# Allegro board RK_EVB1_RK3576_LP4XD200P132SD6_V12_20240530YWQ.brd (continued)
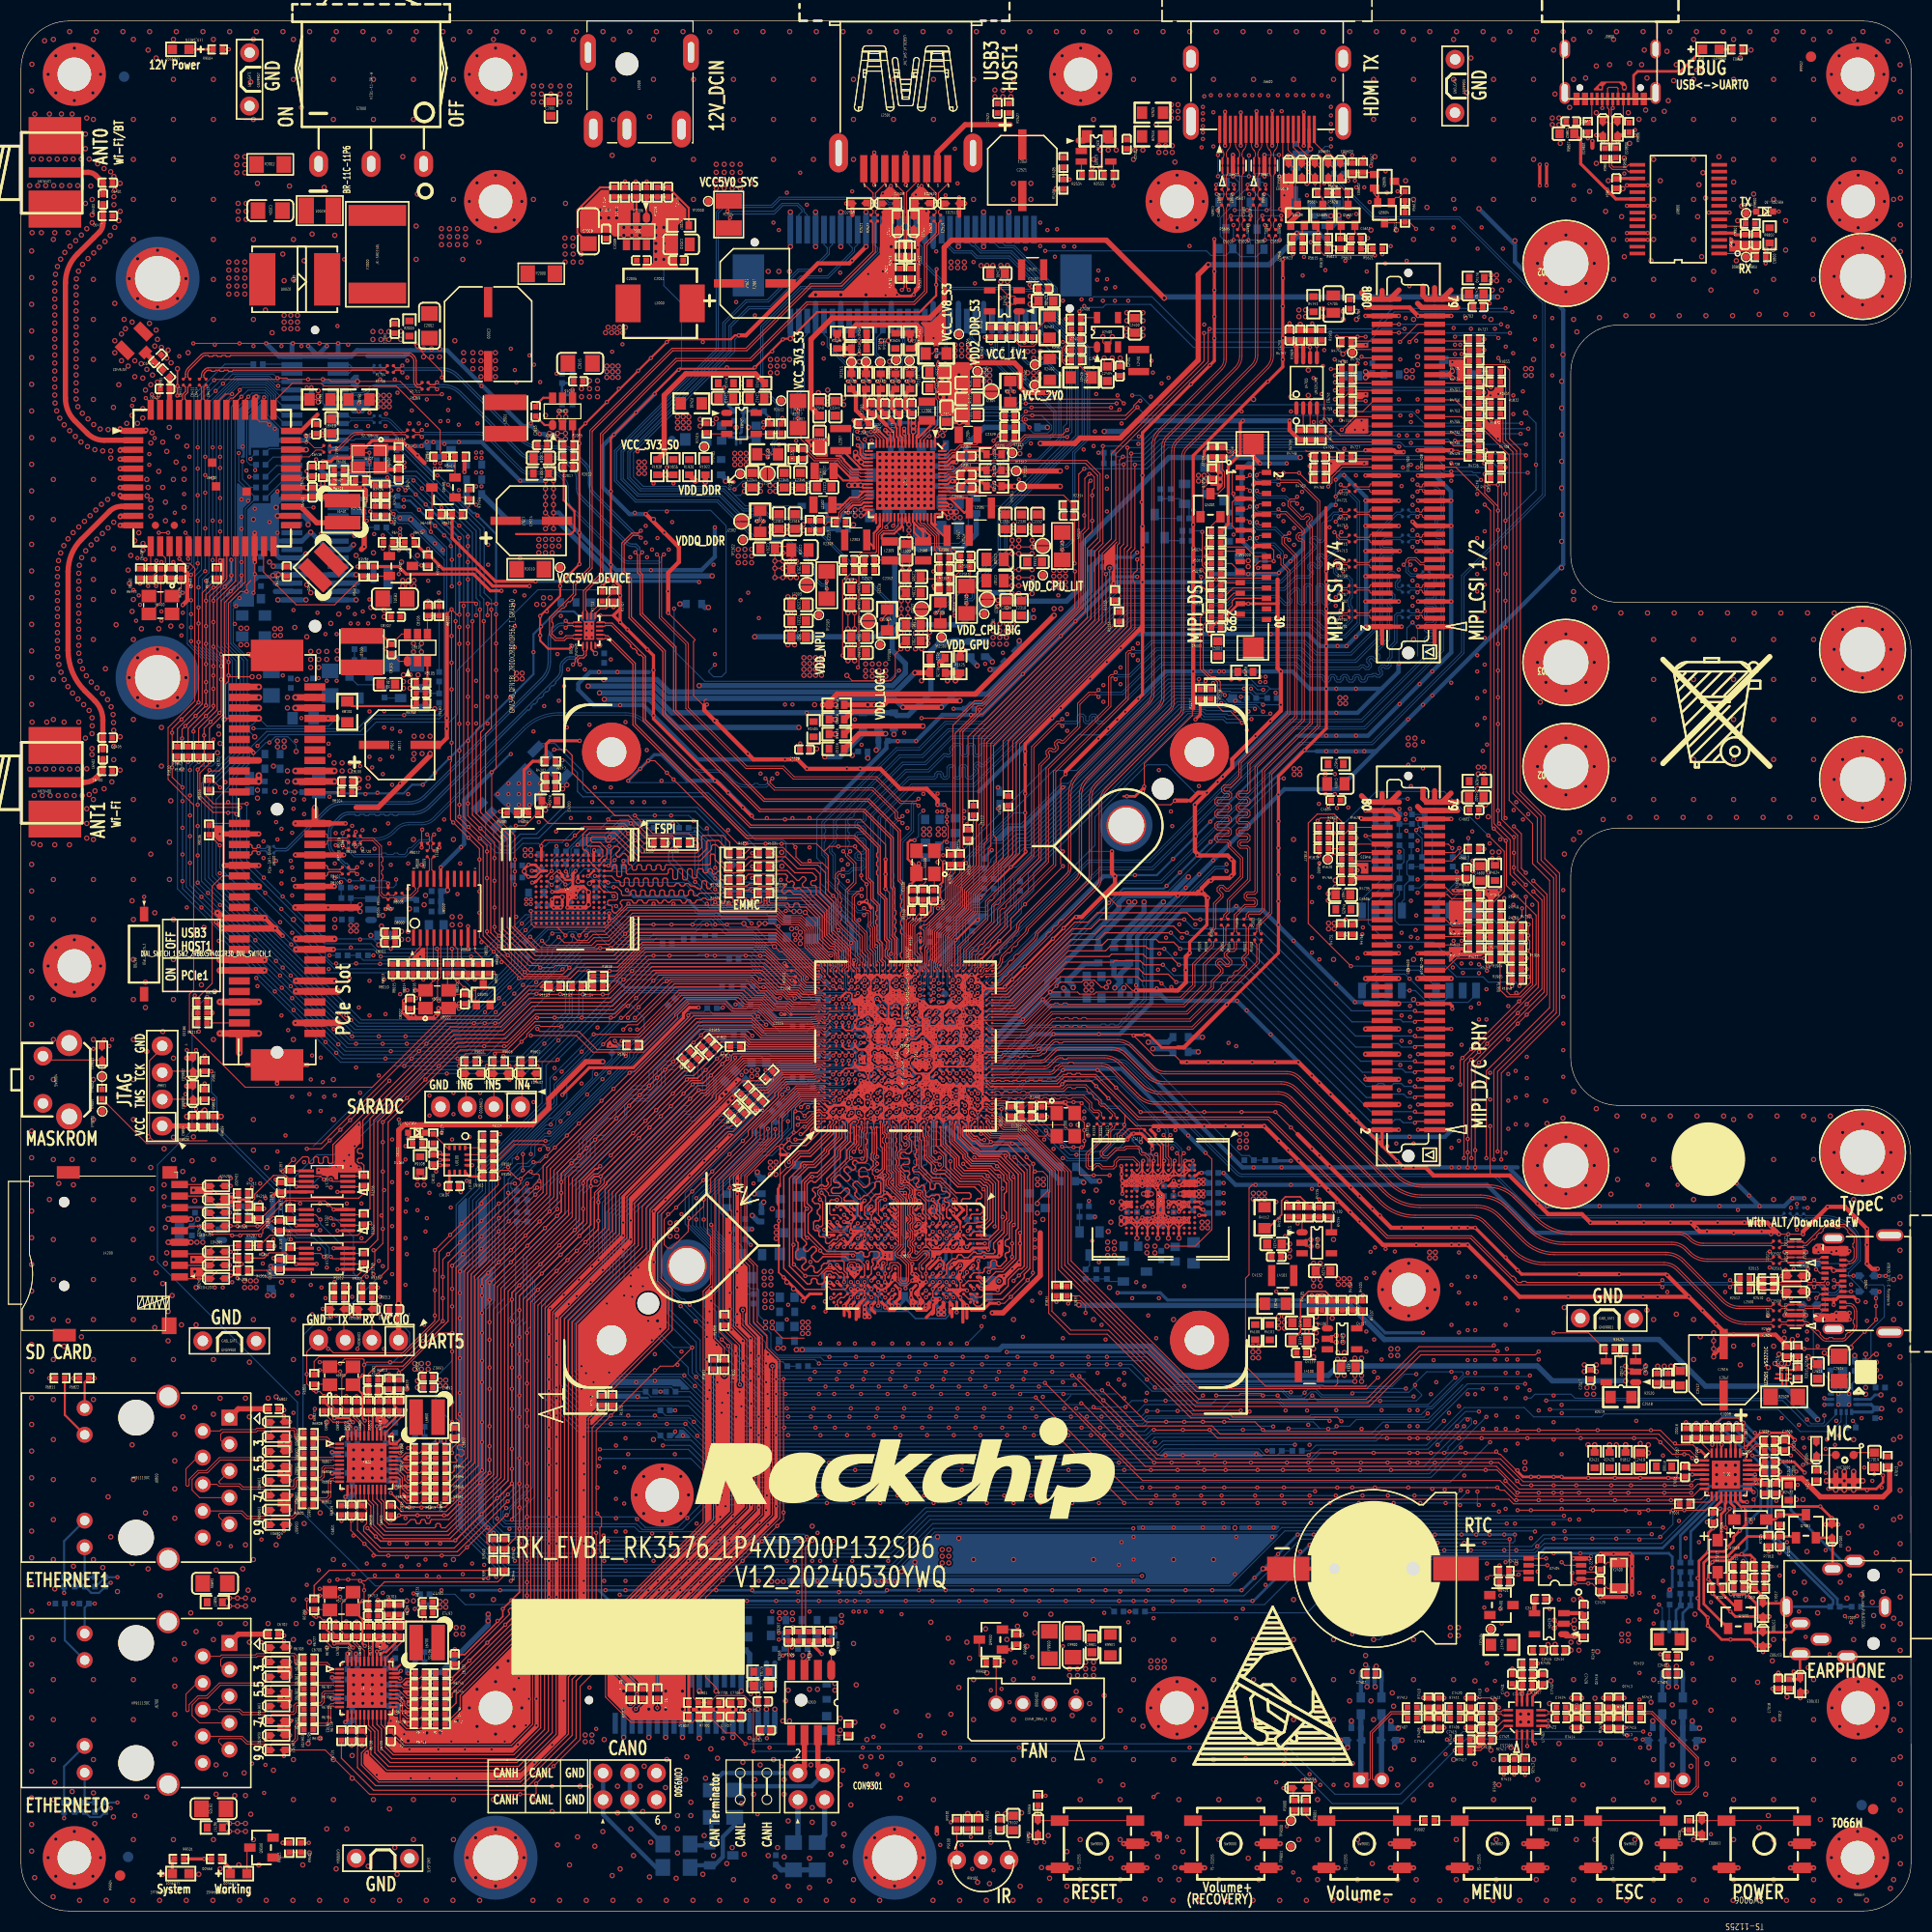
[diagram p0: board, top side]
## Routing (per net, layer and track width the routed paths; a pad name or vN(x,y) marks a point on that pad's centre or on a via; arc(x,y) is an arc through that point) (continued)
VDD_GPU_S0_P: length 55.2
  TOP w0.102: C2305.1 85.88,126.87 R2302.1 C2306.1 R2303.1 ; R2300.2 87.56,124.08 v1(87.1,123.62)
  BOTTOM w0.102: v1(87.1,123.62) 87.23,123.62 93.06,129.45 93.06,133.12 100.47,140.53 100.47,148.68 97.58,151.57 97.58,153.91 94.07,157.42 90.98,157.42 90.5,157.9 88.85,157.9 87.68,159.07 CON9700.38
VDD_LOGIC_S0: length 179.3
  TOP w0.102: R2319.2 82.61,122.09 v1(82.61,123.07) ; v1(79.71,118.44) 79.8,118.53 79.8,127.2 80.27,127.68 R2321.2 C2352.2 80.85,129.15 81.58,129.15 81.68,129.26 81.68,131.04 82.07,131.44 83.07,131.44 83.54,131.91 U2300.41
  TOP w0.178: 84.19,83.99 83.64,83.99 ; v1(83.92,83.02) v1(83.27,83.02)
  TOP w0.203: U1000.2J9 v1(85.22,83.67) ; U1000.2F8 83.59,83.92 ; 83.31,83.06 83.31,83.54 83.28,83.56 v1(83.28,83.61)
  TOP w0.229: U1000.2G8 v1(83.92,83.02) ; U1000.2G8 84.57,83.67 ; U1000.2G8 U1000.2G9 84.24,83.99 ; U1000.2G8 83.92,83.67 ; U1000.2G8 U1000.2F8 ; v1(83.92,83.02) U1000.2F7 ; v1(83.92,83.02) U1000.2F8 ; v1(84.57,83.72) 84.62,83.72 U1000.2H9 v1(85.22,83.67) ; v1(84.57,83.72) 84.62,83.67 v1(85.22,83.67) ; v1(84.57,83.72) v1(83.92,83.72) ; v1(84.57,83.72) 84.57,83.67 ; v1(84.57,83.72) 84.29,83.99 84.24,83.99 ; v1(83.27,83.02) U1000.2F8 ; v1(83.27,83.02) U1000.2F7 ; v1(83.27,83.02) U1000.2E7 ; v1(83.92,83.72) 83.92,83.67 ; v1(83.92,83.72) 83.64,83.99 U1000.2F9 ; v1(83.92,83.72) 84.19,83.99 84.24,83.99 ; U1000.2F9 83.59,83.92 ; U1000.2F9 83.28,83.68 v1(83.28,83.61) ; 84.57,83.67 U1000.2H8 v1(85.22,83.67) ; 83.92,83.67 U1000.2F8 ; U1000.2F7 U1000.2E7 ; U1000.2F7 83.59,82.66 v1(83.26,82.32) 82.94,82.64 U1000.2E7
  L3-POWER w0.089: v1(84.57,83.72) 84.11,84.17 84.11,86.29 84.38,86.56 ; 82.75,84.64 82.48,84.64 82.34,84.78 ; 82.75,84.64 82.33,85.06 82.33,86.44 82.23,86.54 81.41,86.54 81.14,86.81 ; 82.75,84.64 83.27,84.13 ; 81.14,86.81 81.14,88.94 81.31,89.1 81.7,89.1 ; 81.14,86.81 81.14,85.98 82.34,84.78 ; 81.14,86.81 81.02,86.93 81.02,88.9 80.53,89.38 80.53,89.48 ; 84.37,89.48 84.38,89.47 84.38,89.44 84.38,89.43 84.38,86.56 ; 84.38,86.56 84.53,86.56 84.8,86.83 84.75,86.88 84.79,86.92 84.79,89.39 84.88,89.48 ; 83.26,83.01 82.94,82.69 82.89,82.69 ; v1(83.26,82.32) 82.89,82.69 ; 82.89,82.69 82.48,82.69 82.29,82.88 82.29,84.45 82.34,84.5 82.34,84.78
  L3-POWER w0.102: v1(79.71,118.44) 79.8,118.53 79.8,118.94 80.3,119.45 86.4,119.45 86.62,119.23 86.62,103.83 86.95,103.5 86.95,102.13 86.62,101.8 86.62,91.22 84.88,89.48 ; 84.37,89.48 84.37,91.64
  L3-POWER w0.305: v1(84.57,83.72) 83.92,83.07 v1(83.92,83.02) v1(83.27,83.02)
  L3-POWER w0.356: v1(83.27,83.02) 83.26,83.01 v1(83.26,82.32)
  L4-SIG w0.089: v1(85.22,83.67) 85.38,83.5 85.38,82.99 85.07,82.68 83.63,82.68 83.27,82.32 v1(83.26,82.32)
  BOTTOM w0.102: CON9700.18 79.68,158.71 79.38,158.41 79.38,158.02 76.88,155.52 74.34,155.52 71.41,152.6 69.36,152.6 67.63,150.87 67.63,148.53 57.99,138.89 57.99,136.52 59.06,135.45 66.94,135.45 68.86,133.54 70.69,133.54 71.5,132.74 74.77,132.74 82.8,124.7 82.8,123.25 82.63,123.07 v1(82.61,123.07)
  BOTTOM w0.229: v1(84.57,83.72) 84.62,83.67 v1(85.22,83.67) ; C1016.1 82.94,82.65 v1(83.26,82.32) 83.26,82.32 82.98,82.04 C1024.1
  BOTTOM w0.254: v1(83.92,83.02) 83.69,83.24 C1015.1 ; 82.94,82.69 v1(83.27,83.02)
  BOTTOM w0.305: v1(83.27,83.02) 83.27,83.02 C1017.1 83.16,83.56 83.23,83.56 v1(83.28,83.61) 83.25,83.64 83.25,83.96 83.78,83.96 83.92,84.1 ; 83.92,84.1 C1020.1 84.45,83.72 v1(84.57,83.72) 83.92,83.07 v1(83.92,83.02) ; 83.92,84.1 v1(83.92,83.72) 83.59,83.39 C1015.1 ; C1023.1 85.52,83.97 v1(85.22,83.67)
  vias: v2(80.44,118.77) v2(80.44,118.13) v2(80.44,117.59) v2(81.08,118.77) v2(81.08,118.13) v2(81.08,117.59) v2(81.71,118.77) v2(81.71,118.13) v2(81.71,117.59) v2(82.35,118.77) v2(82.35,118.13) v2(82.35,117.59) v2(85.97,103.05) v2(85.97,102.51) v2(86.53,103.05) v2(86.53,102.51)
VDD_LOGIC_S0_P: length 70.4
  TOP w0.102: R2319.1 82.48,123.54 v1(81.96,123.01) ; R2321.1 C2352.1 82.71,128.66 L2309.2
  BOTTOM w0.102: v1(81.96,123.01) 82.34,123.39 82.34,124.88 74.68,132.53 71.41,132.53 70.61,133.34 68.77,133.34 66.86,135.25 58.98,135.25 57.79,136.44 57.79,138.97 67.43,148.62 67.43,150.96 69.27,152.8 71.33,152.8 74.25,155.72 76.79,155.72 79.18,158.11 79.18,158.41 78.88,158.71 CON9700.16
VDD_NPU_S0: length 161.4
  TOP w0.089: 82.29,82.69 82.29,83.34
  TOP w0.102: R2307.2 v1(76.74,125.91) ; v1(78.25,119.57) 78.25,126.75 78.59,127.09 78.72,127.09 R2309.2 C2323.2 80.01,129.36 81.37,129.36 81.47,129.46 81.47,131.12 82.05,131.7 82.05,132.5 82.14,132.59 U2300.37 ; v1(81.32,83.02) v1(81.32,83.67)
  TOP w0.178: 82.29,83.34 U1000.2D8 v1(81.97,83.67) ; 82.29,82.69 U1000.2D7 82.24,82.75 81.7,82.75 ; 81.64,82.69 U1000.2C7
  TOP w0.229: v1(81.97,84.32) 81.94,84.29 ; 81.94,84.29 81.94,83.69 ; 81.94,84.29 U1000.2C9 ; v1(81.97,83.67) v1(81.97,83.02) ; v1(81.97,83.67) U1000.2C8 ; v1(81.97,83.67) 81.94,83.69 ; v1(81.97,83.02) 82.29,83.34 ; v1(81.97,83.02) 82.29,82.69 ; v1(81.97,83.02) U1000.2C7 ; v1(81.97,83.02) U1000.2C8 ; U1000.2C8 81.64,82.69 v1(81.32,83.02) U1000.2C8 ; U1000.2C8 v1(81.32,83.67) U1000.2C9 ; U1000.2C8 U1000.2C9 ; 81.94,83.69 U1000.2C9
  L3-POWER w0.089: 77.38,82.16 80.46,82.16 80.67,82.37 ; 80.67,82.37 v1(81.32,83.02) ; 80.67,82.37 79.29,82.37 ; 80.71,85.57 v1(81.97,84.32)
  L3-POWER w0.102: 73.07,89.23 73.32,89.48 73.32,92.58 v2(73.7,92.96) ; 73.07,89.23 73.07,85.93 76.84,82.16 77.38,82.16 ; 73.07,89.23 73.07,89.6 73.07,89.61 ; v2(73.39,93.54) 73.21,93.72 73.21,95.36 73.4,95.55 73.4,103.65 73.12,103.94 73.12,118.78 74.37,120.03 77.59,120.03 78.04,119.57 v1(78.25,119.57)
  L3-POWER w0.229: 81.97,84.32 81.97,84.64 81.83,84.78
  L3-POWER w0.33: v1(81.97,84.32) 81.97,84.32 v1(81.97,83.67) v1(81.97,83.02) v1(81.32,83.02)
  BOTTOM w0.102: v1(76.74,125.91) 76.74,126.07 76.64,126.17 76.22,126.17 75.61,126.78 75.61,127.88 72.93,130.55 69.93,130.55 66.3,134.18 58.53,134.18 56.52,136.19 56.52,139.08 66.21,148.77 66.21,161.8 66.87,162.45 71.46,162.45 72.22,163.22 82.17,163.22 82.67,162.71 83.56,162.71 84.18,162.09 84.18,161.84 84.48,161.54 CON9700.30
  BOTTOM w0.229: v1(81.32,83.67) v1(81.32,83.02)
  BOTTOM w0.254: v1(81.97,83.02) 81.74,83.25 C1035.1 81.55,83.25 v1(81.32,83.02)
  BOTTOM w0.305: C1036.1 81.67,84.62 v1(81.97,84.32) 81.75,84.1 C1033.1 81.75,83.88 v1(81.97,83.67) ; v1(81.32,83.67) 81.31,83.67 C1032.1 80.92,83.92 C1034.1
  vias: v1(73.76,92.48) v1(73.88,93.6) v2(74.21,93.21) v2(74.24,92.67) v2(74.21,92.14) v2(74.56,119.36) v2(74.56,118.81) v2(74.56,118.25) v2(74.56,117.69) v2(75.12,119.36) v2(75.12,118.81) v2(75.12,118.25) v2(75.12,117.69) v2(75.68,119.36) v2(75.68,118.81) v2(75.68,118.25) v2(75.68,117.69) v2(76.24,119.36) v2(76.24,118.81) v2(76.24,118.25) v2(76.24,117.69)
VDD_NPU_S0_P: length 75.9
  TOP w0.102: R2307.1 v1(76.74,126.64)
  BOTTOM w0.102: v1(76.74,126.64) 76.74,126.48 76.64,126.38 76.3,126.38 75.81,126.87 75.81,127.96 73.01,130.75 70.02,130.75 66.39,134.39 58.61,134.39 56.72,136.28 56.72,138.99 66.41,148.68 66.41,161.71 66.95,162.25 71.54,162.25 72.3,163.01 82.08,163.01 82.59,162.5 83.48,162.5 83.96,162.03 83.96,161.82 83.68,161.54 CON9700.28
VDDA0V75_HDMI_S0: length 86.5
  TOP w0.102: R2331.2 81.88,146.02 v1(82.23,145.67)
  TOP w0.229: v1(88.47,85.62) U1000.2N11 ; v1(89.12,85.62) U1000.2P11
  L4-SIG w0.203: v1(88.47,85.62) 88.9,86.05 91.23,86.05 91.61,86.43
  L4-SIG w0.508: 88.35,122.37 88.35,127.53 87.52,128.37 87.52,132.17 87.52,132.17 87.52,132.89 87.92,133.29 87.92,138.76 88.76,139.59 88.76,146.1 88.36,146.5 87.35,146.5 85.06,148.79 84.11,148.79 83.36,149.55 v2(82.59,149.55) ; 92.5,88.84 92.5,87.32 91.61,86.43
  L4-SIG w0.635: 88.35,122.37 88.94,121.78 88.94,119.69 94.36,114.28 94.36,100.32 94.53,100.32 95.16,99.68 95.16,97.65 94.36,96.85 94.36,90.71 92.5,88.84
  BOTTOM w0.102: v1(82.23,145.67) 82,145.9 82,147.86 81.48,148.38 81.48,149.84 82.08,150.43 CON9700.23
  BOTTOM w0.305: C1600.1 88.19,85.34 v1(88.47,85.62) ; v1(88.47,85.62) v1(89.12,85.62) 89.12,85.94 C1601.1 88.87,86.11 88.47,85.7 v1(88.47,85.62)
  vias: v2(81.95,149.55)
VDDA0V75_HDMI_S0_P: length 13
  TOP w0.102: R2331.1 81.88,145.36 v1(81.57,145.67)
  TOP w0.178: U2300.11 83.54,140.26 83.4,140.4 83.4,141.22 83.31,141.31 83.31,141.61 83.03,141.89
  TOP w0.406: R2331.1 81.7,144.77 81.7,143.13 82.2,142.63 C2367.1 83.03,141.89
  BOTTOM w0.102: CON9700.21 81.28,148.29 81.8,147.77 81.8,145.9 v1(81.57,145.67)
VDDA_0V75_S0: length 18.2
  TOP w0.102: v1(85.02,145.67) 84.67,146.02 R2334.2
  TOP w0.508: R1148.2 v2(77.57,112.09) ; R1502.2 85.02,148.81 85.64,149.43 85.64,150.69 85.28,151.05 79.54,151.05 79.08,150.59 R1407.2 ; R1500.2 v2(77.57,113.48)
  BOTTOM w0.102: CON9700.33 86.08,150.16 85.78,149.86 85.78,146.98 84.82,146.02 84.82,145.88 v1(85.02,145.67)
  vias: v2(84.35,147.01) v2(84.91,147.01)
VDDA_0V75_S0_P: length 13.1
  TOP w0.102: R2334.1 84.67,145.36 v1(84.36,145.67)
  TOP w0.203: C2372.1 84.52,142.33 84.52,140.68 84.59,140.61 U2300.8
  TOP w0.406: C2372.1 84.74,142.63 84.24,143.13 84.24,144.52 R2334.1
  BOTTOM w0.102: CON9700.31 85.28,150.16 85.58,149.86 85.58,147.07 84.59,146.08 84.59,145.9 v1(84.36,145.67)
VDDA_0V85_S0: length 102.5
  TOP w0.102: v1(83.63,145.67) 83.27,146.02 R2333.2
  TOP w0.508: R1700.2 v2(77.57,114.88) ; R1700.2 76.96,115.13 77.73,115.9 90.89,115.9 v2(98.39,123.39) ; R1700.2 v2(76.34,114.88)
  L4-SIG w0.508: v2(98.39,123.39) 98.36,119.13 102.02,115.44 102.02,99.89 105.81,96.1 v2(106.07,96.1) 107.6,94.57 107.6,87.64 109.77,85.48 109.77,81.96 102.9,75.09 102.9,72.17 101.2,70.47 v2(101.2,69.38)
  BOTTOM w0.102: CON9700.29 84.48,150.16 84.18,149.86 84.18,148.09 83.95,147.86 83.95,146.59 83.4,146.04 83.4,145.9 v1(83.63,145.67)
  BOTTOM w0.508: v2(106.07,96.1) 102.61,92.64 R1403.2 ; R1320.2 101.08,69.5 v2(101.2,69.38)
  vias: v1(82.63,146.5) v2(75.58,114.88) v2(82.72,147.57) v2(82.78,147.01) v2(83.34,147.01) v2(98.39,124.03) v2(99.02,124.03) v2(105.51,96.1)
VDDA_0V85_S0_P: length 12.9
  TOP w0.102: R2333.1 83.27,145.36 v1(82.96,145.67)
  TOP w0.203: 83.7,141.55 83.7,140.53 83.89,140.34 U2300.10
  TOP w0.406: 83.7,141.55 83.7,142.48 C2370.1 83.47,142.63 82.97,143.13 82.97,144.65 R2333.1
  BOTTOM w0.102: v1(82.96,145.67) 83.19,145.9 83.19,146.12 83.75,146.68 83.75,147.95 83.98,148.17 83.98,149.86 83.68,150.16 CON9700.27
VDDA_1V2_S0: length 132
  TOP w0.102: R2325.2 93.02,135.68 v1(92.67,136.03)
  TOP w0.508: v2(98.97,135.68) TP2311.1 v2(94.62,135.68) R2325.2
  L4-SIG w0.305: v2(112.52,83.22) 111.92,82.62 111.17,82.62 103.41,74.87 103.41,71.96 101.71,70.26 v1(101.71,67.64)
  L4-SIG w0.508: v2(112.52,83.22) 113.22,83.93 113.22,94.65 112.4,95.47 108.57,95.47 107.57,96.47 107.57,101.15 108.85,102.43 108.85,104.28 106.19,106.94 106.19,107.75 107.74,109.3 107.74,120.99 101.92,126.82 101.92,130.4 98.97,133.35 v2(98.97,135.68) ; v2(94.62,135.68) 94.62,134.27 93.77,133.42 93.77,125.23 95.07,123.93 v2(95.07,120.98)
  BOTTOM w0.102: CON9700.51 93.28,150.16 92.98,149.86 92.98,148.41 98.56,142.83 98.56,140.76 98.01,140.2 96.11,140.2 95.68,139.77 94.43,139.77 92.06,137.4 92.06,136.04 92.3,135.8 92.44,135.8 v1(92.67,136.03)
  BOTTOM w0.305: R4111.1 v1(101.71,67.64)
  BOTTOM w0.508: R1308.2 v2(112.52,83.22) ; R1504.2 95.08,120.25 95.08,120.97 v2(95.07,120.98)
VDDA_1V2_S0_P: length 29.3
  TOP w0.102: R2325.1 92.36,135.68 v1(92.67,135.37)
  TOP w0.203: C2356.1 89.17,135.15 88.48,135.15 88.43,135.19 U2300.57
  TOP w0.305: C2356.1 89.59,135.72 90.08,136.22 91.41,136.22 R2325.1
  BOTTOM w0.102: CON9700.49 92.48,150.16 92.78,149.86 92.78,148.32 98.36,142.74 98.36,140.84 97.92,140.41 96.03,140.41 95.59,139.97 94.35,139.97 91.86,137.49 91.86,135.96 92.22,135.6 92.44,135.6 v1(92.67,135.37)
VDDA_DDR_PLL_S0: length 105.5
  TOP w0.102: R2329.2 80.48,146.02 v1(80.83,145.67)
  TOP w0.229: U1000.2C3 81.95,79.78 v1(81.97,79.78)
  TOP w0.508: R2329.2 TP2314.1 v2(79.84,147.54)
  L4-SIG w0.089: U1000.2C3 81.75,79.98 81.88,79.98 81.97,79.89 v1(81.97,79.78) 81.95,79.78 81.94,79.79 ; U1000.2C3 80.94,80.09 80.65,80.38 81.01,80.74 81.45,80.74 81.64,80.55 U1000.2C3
  L4-SIG w0.102: 80.65,80.38 79.92,80.38 79.64,80.66 75.66,80.66 75.48,80.84
  L4-SIG w0.508: 75.48,80.84 70.78,80.84 67.86,83.76 65.95,83.76 62.7,87.02 62.7,104.89 63.36,105.56 63.36,136.54 67.5,140.68 69.51,140.68 70.02,141.19 70.02,142.18 71.08,143.25 73.1,143.25 77.4,147.54 v2(79.84,147.54)
  BOTTOM w0.102: CON9700.17 79.68,150.16 79.38,149.86 79.38,147.35 80.61,146.12 80.61,145.89 v1(80.83,145.67)
  BOTTOM w0.305: v1(81.97,79.78) 82.23,79.52 C1213.1
VDDA_DDR_PLL_S0_P: length 14
  TOP w0.102: R2329.1 80.48,145.36 v1(80.17,145.67)
  TOP w0.178: 82.4,141.54 83.1,140.83 83.1,140.27 83.19,140.18 U2300.12
  TOP w0.406: R2329.1 80.35,144.82 80.35,143.21 80.93,142.63 C2365.1 81.14,142.5 81.43,142.5 82.4,141.54
  BOTTOM w0.102: v1(80.17,145.67) 80.4,145.9 80.4,146.04 79.18,147.27 79.18,149.86 78.88,150.16 CON9700.15
VDDI: length 1.6
  TOP w0.279: U4000.C2 54.55,101 v1(54.59,101.04)
  BOTTOM w0.305: C4007.1 54.73,100.9 v1(54.59,101.04)
VDDQ_DDR_CKE_S3: length 21.3
  TOP w0.229: U1000.2B2 81.29,79.74 v1(81.29,79.74)
  L4-SIG w0.089: 80.43,79.44 80.75,79.44 81.05,79.74 v1(81.29,79.74) 81.29,79.55 80.97,79.23 80.97,78.98 80.71,78.72 80.3,78.72 80.3,78.96 80.31,79.32 80.43,79.44
  L4-SIG w0.178: 80.3,78.72 79.83,78.72 79.74,78.81 74.49,78.81
  L4-SIG w0.508: 74.49,78.81 70.12,74.45 v2(70.12,70.37)
  BOTTOM w0.305: C1214.1 81.29,79.78 v1(81.29,79.74)
  BOTTOM w0.508: v2(70.12,70.37) 70.12,70.16 R3809.1
VDDQ_DDR_S0: length 69.5
  TOP w0.102: U1000.2F1 83.57,78.82 82.97,78.82 U1000.2E1 82.89,78.84 82.34,78.84 ; 84.29,78.84 84.84,78.84 ; R2306.1 70.39,131.99 v1(70.75,132.35)
  TOP w0.178: v1(85.22,79.12) v1(84.57,79.12) 84.56,79.12 83.91,79.12
  TOP w0.203: U1000.2F1 83.59,78.8 83.91,79.12 ; U1000.2E1 82.64,79.09 ; v1(85.22,79.12) U1000.2J2
  TOP w0.229: v1(83.27,79.12) U1000.2F2 83.91,79.12 ; v1(83.27,79.12) 83.24,79.09 ; v1(83.27,79.12) 83.91,79.12 83.91,79.12 ; v1(83.27,79.12) U1000.2F1 83.63,78.79 ; 83.24,79.09 U1000.2E1 ; 83.24,79.09 82.64,79.09 v1(82.62,79.12) U1000.2D1 ; U1000.2G1 83.91,79.12 ; U1000.2G1 83.93,78.48 83.63,78.79 ; U1000.2G1 v1(84.57,79.12) U1000.2H1 v1(85.22,79.12) ; U1000.2G1 83.63,78.79
  L3-POWER w0.305: v1(82.62,79.12) v1(83.27,79.12) v1(84.57,79.12) v1(85.22,79.12)
  BOTTOM w0.089: R1201.2 82.15,78.65 v1(82.62,79.12)
  BOTTOM w0.102: CON9700.12 77.28,158.71 76.98,158.41 76.98,157.81 75.33,156.15 74.08,156.15 71.16,153.23 69.1,153.23 67.05,151.18 67.05,148.65 57.36,138.96 57.36,136.4 58.81,134.95 66.62,134.95 68.57,132.99 70.27,132.99 70.52,132.74 70.52,132.58 v1(70.75,132.35)
  BOTTOM w0.203: R1200.1 85.64,78.2 85.64,78.81 85.33,79.12 v1(85.22,79.12)
  BOTTOM w0.305: v1(85.22,79.12) 85.17,79.12 C1200.1 84.6,79.12 v1(84.57,79.12) 84.38,78.93 C1203.1 83.45,78.93 v1(83.27,79.12) 82.98,78.83 C1201.1 82.66,79.12 v1(82.62,79.12)
  vias: v2(68.31,129.68) v2(68.31,129.04) v2(68.31,128.41) v2(68.95,129.68) v2(68.95,129.04) v2(68.95,128.41) v2(69.58,129.68) v2(69.58,129.04) v2(69.58,128.41) v2(71.36,71.32) v2(71.36,70.78) v2(71.36,70.14) v2(71.9,71.32) v2(71.9,70.78) v2(71.9,70.14)
VDDQ_DDR_S0_P: length 57
  TOP w0.102: U2300.30 80.38,134.84 80.13,134.6 80.05,134.6 79.8,134.35 79.06,134.35 77.89,133.19 77.89,132.89 77.79,132.79 76.74,132.79 76.37,132.41 C2317.1 R2308.1 ; R2306.2 70.39,132.65 v1(70.09,132.35)
  BOTTOM w0.102: v1(70.09,132.35) 70.29,132.55 70.29,132.69 70.19,132.79 68.49,132.79 66.54,134.74 58.73,134.74 57.15,136.32 57.15,139.04 66.85,148.73 66.85,151.26 69.02,153.44 71.08,153.44 74,156.36 75.24,156.36 76.78,157.89 76.78,158.41 76.48,158.71 CON9700.10
VDDQ_DRAM_S0: length 90
  TOP w0.254: U3800.B5 v1(90.09,63.24) ; U3800.W8 v1(79.08,61.45)
  TOP w0.279: U3800.U3 v1(80.99,64.84) ; U3800.AA3 77.74,65.49 v1(77.74,65.59) ; U3800.W1 79.37,66.77 79.08,67.06 v1(79.08,67.08) ; U3800.D8 v1(89.44,61.49) ; U3800.W5 79.37,63.57 v1(79.04,63.24) ; v1(80.99,59.24) U3800.U10 ; U3800.F10 v1(87.49,59.24) ; U3800.AA5 v1(77.74,63.24) ; v1(88.14,65.49) U3800.F3 ; U3800.AA8 v1(77.71,61.52) ; U3800.D1 v1(88.79,67.09) ; v1(89.12,57.02) U3800.D12 ; U3800.B10 v1(90.74,59.24)
  TOP w0.305: U3800.AA10 v1(77.74,59.89) ; v1(90.17,64.78) 90.42,65.02 U3800.B3 ; v1(79.03,57.64) 79.04,57.64 U3800.W12 ; U3800.D5 v1(88.79,63.24) ; U3800.B8 90.68,61.43 v1(90.68,61.45)
  BOTTOM w0.089: 79.92,63.7 79.8,63.57 ; 79.92,63.7 80.02,63.79 ; 79.92,63.7 79.5,63.7 79.42,63.61 ; 79.92,63.7 80.52,63.7 ; 79.8,63.57 79.42,63.57 ; 79.8,63.57 80.05,63.57 ; 80.43,58.86 80.69,59.12 80.69,59.38 80.5,59.57 ; 88.47,64.48 88.47,64.83 88.14,65.15 88.14,65.38 ; 88.47,64.48 88.36,64.37 88.01,64.37 87.97,64.33 87.82,64.33 ; 88.47,64.48 88.47,63.84 ; 80.21,59.57 80.02,59.38 ; 80.21,59.57 80.37,59.57 80.37,59.57 80.47,59.57 ; 80.21,59.57 80.21,59.57 ; 80.02,59.38 80.02,59.11 ; 80.02,59.38 79.83,59.57 ; 80.02,59.38 80.02,59.76 ; 80.02,59.11 80.02,59.02 80.18,58.86 ; 80.02,59.11 79.77,58.86 ; 80.39,63.57 80.39,63.57 80.24,63.57 ; 80.39,63.57 80.52,63.7 ; 80.39,63.57 80.56,63.57 80.67,63.68 80.67,63.84 ; U3800.F10 87.82,60.04 87.54,60.31 ; U3800.F10 88.28,59.57 88.34,59.51 88.47,59.51 ; U3800.F10 v1(87.49,59.24) ; 78.07,59.57 78.69,59.57 ; 78.69,59.57 78.91,59.57 78.91,59.57 79.18,59.57 ; 78.69,59.57 78.69,59.74 78.72,59.76 78.72,60.19 78.72,60.2 78.72,60.43 ; 79.37,59.38 79.56,59.57 ; 79.37,59.38 79.18,59.57 ; 79.37,59.38 79.37,59.76 ; 79.37,59.38 79.37,59.11 ; 79.56,59.57 79.18,59.57 ; 79.56,59.57 79.56,59.57 ; 88.47,63.57 88.05,63.57 87.92,63.7 ; 88.47,63.57 88.47,63.84 ; 88.47,63.57 88.56,63.48 ; 79.36,58.64 79.36,58.64 79.14,58.86 79.37,59.09 79.37,59.11 ; 79.36,58.64 79.36,58.62 79.37,58.61 ; 79.36,58.64 79.59,58.86 ; 87.82,64.33 C3806.1 ; 87.82,64.33 87.82,63.81 87.92,63.7 ; 79.94,57.22 79.94,57.58 80.38,58.03 ; 80.38,58.03 80.67,58.31 ; 80.38,58.03 80.42,58.03 ; 80.67,58.31 80.67,58.81 80.61,58.86 ; 80.67,58.31 80.67,58.3 ; 80.02,63.79 80.24,63.57 ; 80.02,63.79 80.02,63.6 80.05,63.57 ; 80.02,63.79 80.02,64.51 ; 80.24,63.57 80.05,63.57 ; 79.37,58.61 79.37,58.58 79.37,58.58 79.37,58.29 79.36,58.29 ; 79.37,58.61 79.37,59.08 ; 80.5,59.57 80.47,59.57 ; 80.5,59.57 80.67,59.57 ; 80.47,59.57 80.67,59.76 ; 79.36,58.29 79.48,58.17 79.48,58.05 79.45,58.03 C3818.1 ; 79.36,58.29 79.36,58.08 ; 89.19,64.34 89.23,64.37 89.57,64.37 89.58,64.37 89.87,64.37 ; 79.18,59.57 79.18,59.57 ; 79.18,59.57 79.37,59.76 ; 79.18,59.57 79.18,59.57 ; 80.02,59.76 80.02,59.76 ; 80.02,59.76 80.02,60.03 ; 80.02,59.76 80.21,59.57 ; 80.02,59.76 79.83,59.57 ; 79.37,59.76 79.37,60.43 ; 79.37,59.76 79.37,59.76 79.56,59.57 ; 80.67,58.3 80.94,58.03 ; 80.67,58.3 80.67,58.05 80.69,58.03 ; 80.67,63.84 80.67,64.19 ; 80.67,63.84 80.52,63.7 ; 80.67,64.19 80.67,64.52 v1(80.99,64.84) 80.99,64.51 80.67,64.19 ; 79.56,59.57 79.83,59.57 ; 80.67,59.76 80.67,59.91 80.67,60.03 ; 80.67,59.76 80.67,59.57 ; 79.37,59.08 79.59,58.86 ; 79.37,59.08 79.37,59.11 79.37,59.11 ; 87.45,60.31 87.17,60.03 87.17,60.03 ; 80.21,59.57 80.21,59.57 79.83,59.57 ; 80.02,60.03 80.02,60.05 79.8,60.27 ; 80.02,60.03 80.26,60.27 80.43,60.27 80.67,60.03 ; 87.01,59.57 86.71,59.57 86.52,59.76 86.52,60.13 ; 87.01,59.57 87.17,59.72 ; 87.01,59.57 87.17,59.57 ; 88.4,65.38 88.61,65.17 88.92,65.17 89.12,64.98 89.12,64.51 ; v1(87.49,59.24) 87.17,59.57 ; v1(87.49,59.24) 87.82,58.92 87.82,58.31 88.11,58.02 ; 87.17,59.57 87.17,59.72 ; 89.12,64.51 U3800.D5 ; 89.12,64.51 89.07,64.46 ; 80.67,60.03 80.67,60.41 80.65,60.43 ; 87.17,59.72 87.17,60.03 ; 87.17,60.03 86.88,60.31 ; 80.67,59.57 v1(80.99,59.24) ; 87.92,63.7 88.32,63.7 88.47,63.84 ; 88.47,59.51 88.47,60.03 88.43,60.06 88.43,60.39 88.47,60.43 ; 88.47,59.51 88.47,58.31 ; 88.47,58.31 88.43,58.28 88.43,58.11 ; 88.47,58.31 88.47,58.31 88.67,58.11 89.02,58.11 89.12,58.02 89.12,58.31 89.12,58.31 89.12,58.58 89.12,58.58 U3800.D8 v1(89.44,61.49) 89.77,61.17 89.77,60.22 90.38,59.61 ; 87.47,58.77 87.41,58.77
  BOTTOM w0.102: C3816.1 88.63,62.08 88.33,61.77 ; 88.22,60.43 88.22,61.66 88.33,61.77 ; 78.72,60.43 78.72,61.03 C3808.1 ; 89.87,64.37 90.26,64.37 90.26,64.37 90.74,64.84 ; 88.33,61.77 88.33,61.4 ; 79.8,56.84 79.94,56.99 79.94,57.22 ; 79.42,63.57 79.37,63.57 ; 79.37,63.57 79.42,63.61 ; 79.37,63.57 v1(79.04,63.24) 78.69,63.6 78.1,63.6 v1(77.74,63.24) ; 88.33,61.4 88.41,61.32 88.41,60.61 88.47,60.55 88.47,60.43 ; 88.33,61.4 88.33,60.5 ; 88.11,58.02 88.14,57.98 88.18,57.98 ; 88.56,63.48 v1(88.79,63.24) ; v1(87.49,59.24) 87.41,59.16 87.41,58.79 87.38,58.77 C3814.1 ; v1(90.74,59.24) 90.38,59.61 ; 88.14,65.38 v1(88.14,65.49) 88.29,65.49 88.4,65.38 ; 89.12,58.02 v1(89.12,57.02) ; 80.65,60.43 80.56,60.52
  BOTTOM w0.191: 89.06,58.87 88.7,58.87 88.64,58.82 88.64,58.82 88.47,58.65 88.3,58.82 88.26,58.82 88.21,58.87 87.99,58.87 87.98,58.87 87.82,58.87
  BOTTOM w0.203: v1(88.79,63.24) U3800.D5 89.21,63.66 89.67,63.66 v1(90.09,63.24) ; 79.04,63.96 78.54,64.46 78.1,64.46 C3805.1 ; 79.04,63.96 v1(79.04,63.24) ; 79.04,63.96 79.55,64.46 79.92,64.46 C3810.1 80.06,64.46 80.5,64.46 80.88,64.84 v1(80.99,64.84) ; 89.12,60.14 88.95,60.31 86.7,60.31 86.52,60.13 ; v1(77.74,59.89) 78.77,58.86 80.61,58.86 v1(80.99,59.24) 80.99,59.07 81.37,58.69 81.37,58.25 81.15,58.03 80.42,58.03 ; 89.19,64.34 89.07,64.46 88.45,64.46 ; 89.12,58.93 89.06,58.87
  BOTTOM w0.254: C3807.1 78.88,67.27 v1(79.08,67.08)
  BOTTOM w0.305: v1(80.99,59.24) 81.25,59.5 C3815.1 ; 87.41,59.16 87.16,58.91 C3814.1 ; C3808.1 78.74,61.11 v1(79.08,61.45)
32KOUT_CRY: length 1.4
  TOP w0.102: Y6401.3 31.85,137.23 R6403.1
32KOUT_RTC: length 219.3
  TOP w0.102: v1(141.77,35.42) 141.77,32.46 R2423.2 143.46,32.4 U2405.7 ; R2425.1 33.27,136.25 R2426.1 R2424.1 36.14,135.78 36.61,135.31 v1(36.61,135.3)
  L4-SIG w0.102: v1(36.61,135.3) 36.59,135.3 33.06,131.77 33.06,125.42 29.69,122.05 29.69,110.98 28.23,109.53 28.23,106.43 25.31,103.51 25.31,84.78 28.09,82 28.09,75.88 57.02,46.95 v1(57.02,30.12)
  BOTTOM w0.102: v1(57.02,30.12) 57.12,30.02 116.47,30.02 121.87,35.42 v1(141.77,35.42)
32KOUT_RTC2CON: length 1.1
  TOP w0.102: R2426.2 R6513.1
32KOUT_RTC2SOC: length 129
  TOP w0.102: R2424.2 34.85,134.88 v1(35.28,135.3)
  L4-SIG w0.102: v1(116.18,115.64) 116.18,115.87 114.91,117.15 114.91,122.09 110.8,126.2 110.8,133.8 109.59,135.01 109.59,145.22 104.61,150.2 104.61,153.74 97.9,160.45 69.1,160.45 57.51,148.86 49.89,148.86 45.89,144.85 41.06,144.85 40.3,144.09 40.3,140.33 v1(35.28,135.3)
  BOTTOM w0.102: v1(116.18,115.64) 116.61,115.64 R1111.2
32KOUT_RTC2WIFI: length 1.1
  TOP w0.102: R2425.2 R6405.1
AD0: length 2.8
  TOP w0.102: R9105.1 R9104.2 43.86,72.69 U9100.1
ADC_RST: length 3.5
  TOP w0.102: R7409.2 C7418.1 142.45,14.69 U7402.1
ADCVREF_ES8388: length 1.7
  TOP w0.254: C7010.1 165.87,42.01 U7000.19
AINLN: length 1.9
  TOP w0.102: U7402.13 141.11,19.13 140.97,18.98 140.44,18.98 C7422.1
AINLP: length 1.9
  TOP w0.102: U7402.14 141.11,18.63 140.97,18.77 140.44,18.77 C7421.1
AINRN: length 1.7
  TOP w0.102: C7424.1 145.8,18.98 145.44,18.98 145.29,19.13 U7402.8
AINRP: length 1.7
  TOP w0.102: C7423.1 145.8,18.77 145.44,18.77 145.29,18.63 U7402.7
AP627XP_PCIE_RXN: length 2.6
  TOP w0.117: U6400.44 17.75,143.65 17.41,143.99 17.41,145.13 C6414.1
AP627XP_PCIE_RXP: length 2.6
  TOP w0.117: U6400.45 16.85,143.63 17.19,143.97 17.19,145.13 C6413.1
AP627XP_PCIE_TXN: length 2.7
  TOP w0.117: U6400.46 15.95,143.67 15.61,144.01 15.61,144.35 15.89,144.63 15.89,145.13 C6412.1
AP627XP_PCIE_TXP: length 2.7
  TOP w0.117: C6411.1 15.67,145.13 15.67,144.72 15.39,144.45 15.39,143.97 15.05,143.63 U6400.47
AP627XP_REFCLKN: length 3.6
  TOP w0.089: C6417.1 28.64,139.14 28.09,139.14 27.44,138.49 25.92,138.49 U6400.33
AP627XP_REFCLKP: length 3.5
  TOP w0.089: C6416.1 28.64,139.36 27.93,139.36 27.39,139.9 25.87,139.9 U6400.35
AUD_I2C_SCL: length 4.4
  TOP w0.102: R7701.2 66.91,20.28 68.1,20.28 C7706.1 68.6,19.78 v1(68.6,19.12)
  BOTTOM w0.102: CON7700.9 v1(68.6,19.12)
AUD_I2C_SDA: length 4.8
  TOP w0.102: v1(69.4,19.12) 69.14,19.12 C7707.1 68.1,18.08 66.91,18.08 R7700.2
  BOTTOM w0.102: CON7700.7 v1(69.4,19.12)
AUD_LINEOUT_L: length 38.3
  TOP w0.254: U7000.15 164.69,40.21 v1(165.01,39.89)
  BOTTOM w0.254: C7404.1 130.94,33.8 144.37,33.8 145.14,34.57 156.34,34.57 161.8,40.03 164.87,40.03 v1(165.01,39.89)
AUD_LINEOUT_R: length 10.5
  TOP w0.254: U7000.14 163.73,39.21 163.98,38.95 v1(164.38,38.95)
  BOTTOM w0.254: C7411.1 159.02,36.15 161.83,38.95 v1(164.38,38.95)
AUD_LOOPBACK1_N: length 2.8
  TOP w0.102: C7422.2 138.71,18.98 138.5,18.98 C7419.2 137.68,18.99 137.41,18.99 R7411.1
AUD_LOOPBACK1_P: length 2.8
  TOP w0.102: R7406.1 137.44,18.79 137.65,18.79 C7415.1 138.5,18.77 138.71,18.77 C7421.2
AUD_LOOPBACK2_N: length 2.8
  TOP w0.102: C7424.2 147.53,18.98 147.75,18.98 C7429.2 148.59,18.96 148.81,18.96 R7420.1
AUD_LOOPBACK2_P: length 2.8
  TOP w0.102: C7423.2 147.53,18.77 147.75,18.77 C7425.1 148.56,18.76 148.84,18.76 R7414.1
AUD_PDM_CLK0: length 2.4
  TOP w0.102: v1(60.6,19.35) R7706.1
  BOTTOM w0.102: CON7700.29 v1(60.6,19.35)
AUD_PDM_CLK1: length 2.5
  BOTTOM w0.102: R7705.2 60.6,24.51 CON7700.30
AUD_PDM_SDI0: length 3.1
  TOP w0.102: R7708.1 v1(58.06,19.73)
  BOTTOM w0.102: v1(58.06,19.73) 58.61,19.73 59,19.35 CON7700.33